# Altium PCB Tigershark 3D R2.4 - TR.PcbDoc (part 1 of 4) (continued)
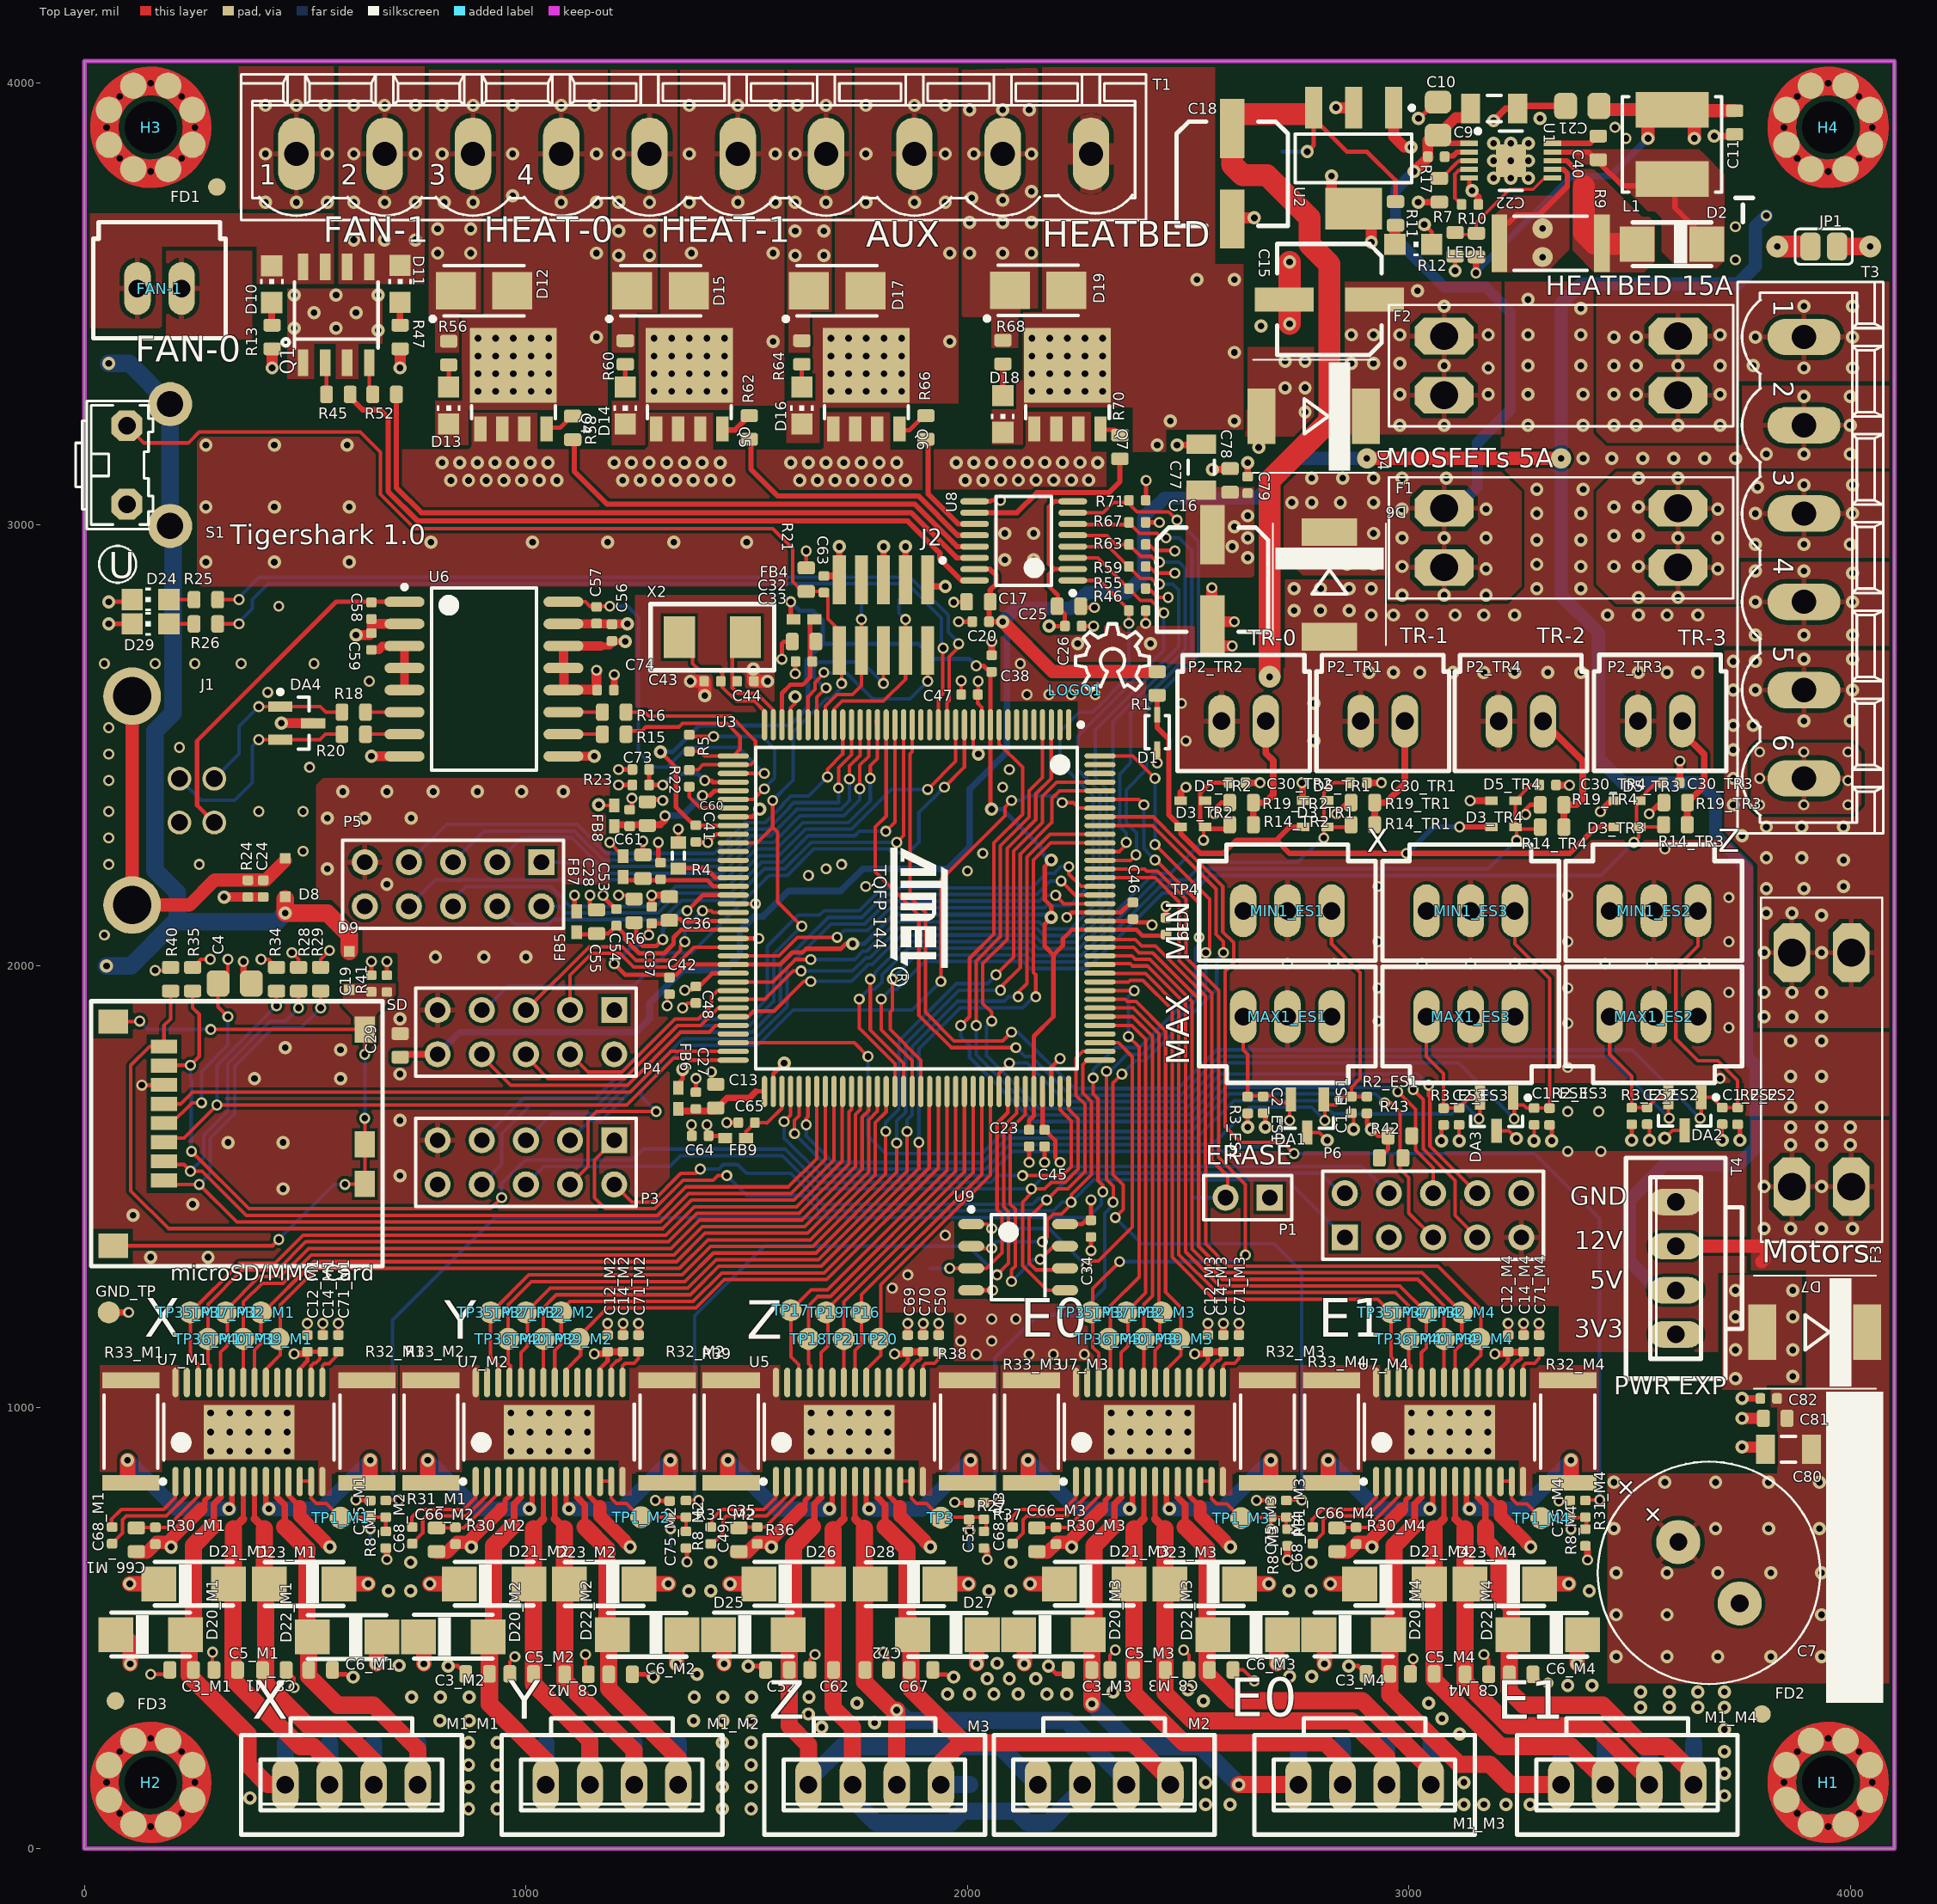
[diagram p0: Top Layer view]
## Components (designator, comment, footprint, x,y, rotation, side; value= is the part's Value field where it differs from the comment) (continued)
C37 "100nF" C0402 1285,2115 r90 top
C38 "100nF" C0402 2055,2685 r90 top
C39 "100nF" C0402 2450,2090 r90 top
C40 "100nF" C0603 3429.31,3853.43 r270 top
C41 "100nF" C0402 1385,2300 r270 top
C42 "100nF" C0402 1325,1955 r270 top
C43 "0402" C0402 1422.57,2645 r0 top
C44 "0402" C0402 1497.57,2645 r180 top
C45 "100nF" C0402 2175,1610 r270 top
C46 "100nF" C0402 2375,2125 r90 top
C47 "100nF" C0402 2005,2615 r180 top
C48 "100nF" C0402 1385,1935 r270 top
C49 "0402" C0402 1418.75,709.74 r270 top
C50 "0402" C0402 1935,1145 r270 top
C51 "0402" C0402 2003.75,764.74 r270 top
C52 "10nF" C0603 1570,405 r180 top
C53 "100nF" C0402 1305,2215 r90 top
C54 "100nF" C0402 1205,2110 r90 top
C55 "0603" C0603 1160,2100 r270 top
C56 "100nF" C0402 1195,2755 r90 top
C57 "100nF" C0402 1160,2795 r270 top
C58 "100nF" C0402 650,2805 r270 top
C59 "100nF" C0402 650,2735 r90 top
C60 "0603" C0603 1275,2345 r270 top
C61 "100nF" C0402 1235,2335 r90 top
C62 "10nF" C0603 1670,405 r180 top
C63 "0402" C0402 1675,2865 r270 top
C64 "100nF" C0402 1395,1615 r180 top
C65 "100nF" C0402 1500,1645 r180 top
C66_M1 "100nF" C0603 117.49,700 r270 top (schematic designator C66)
C66_M2 "100nF" C0603 797.49,700 r270 top (schematic designator C66)
C66_M3 "100nF" C0603 2157.49,700 r270 top (schematic designator C66)
C66_M4 "100nF" C0603 2837.49,700 r270 top (schematic designator C66)
C67 "10nF" C0603 1895,405 r0 top
C68_M1 "0402" C0402 62.49,710 r270 top (schematic designator C68)
C68_M2 "0402" C0402 742.49,710 r270 top (schematic designator C68)
C68_M3 "0402" C0402 2102.49,710 r270 top (schematic designator C68)
C68_M4 "0402" C0402 2782.49,710 r270 top (schematic designator C68)
C69 "0402" C0402 1865,1145 r270 top
C70 "0402" C0402 1900,1145 r270 top
C71_M1 "0402" C0402 575,1145 r270 top (schematic designator C71)
C71_M2 "0402" C0402 1255,1145 r270 top (schematic designator C71)
C71_M3 "0402" C0402 2615,1145 r270 top (schematic designator C71)
C71_M4 "0402" C0402 3295,1145 r270 top (schematic designator C71)
C72 "10nF" C0603 1795,405 r180 top
C73 "0402" C0402 1260,2445 r0 top
C74 "100nF" C0402 1180,2625 r0 top
C75_M1 "0402" C0402 647.49,770 r270 top (schematic designator C75)
C75_M2 "0402" C0402 1325.49,769 r270 top (schematic designator C75)
C75_M3 "0402" C0402 2687.49,770 r270 top (schematic designator C75)
C75_M4 "0402" C0402 3365,770 r270 top (schematic designator C75)
C77 "10uF 50V" C1206#2 2530,3130 r90 top
C78 "0.1uF 50V" C0603 2595,3100 r90 top
C79 "0402" C0402 2635,3090 r270 top
C80 "10uF 50V" C1206#2 3860,905 r180 top
C81 "0.1uF 50V" C0603 3830,975 r180 top
C82 "0402" C0402 3815,1020 r0 top
D1 "SZMM3Z4V7T1G" SZMM3Z4V7T1G 2430,2530 r90 top
D2 "SK310A-TP" SMA-SM 3596.31,3635.43 r180 top
D3_TR1 "1N4148WT" SOD523 2788.05,2315.05 r0 top (schematic designator D3)
D3_TR2 "1N4148WT" SOD523 2511,2315.05 r0 top (schematic designator D3)
D3_TR3 "1N4148WT" SOD523 3494.53,2315 r0 top (schematic designator D3)
D3_TR4 "1N4148WT" SOD523 3214.53,2315 r0 top (schematic designator D3)
D4 "S3A-13-F" DO-214AB 2785,3245.65 r180 top
D5_TR1 "1N4148WT" SOD523 2788.05,2375.05 r180 top (schematic designator D5)
D5_TR2 "1N4148WT" SOD523 2511,2374.57 r180 top (schematic designator D5)
D5_TR3 "1N4148WT" SOD523 3494.53,2374.53 r180 top (schematic designator D5)
D5_TR4 "1N4148WT" SOD523 3214.53,2374.53 r180 top (schematic designator D5)
D6 "S3A-13-F" DO-214AB 2820,2865 r270 top
D7 "S3A-13-F" DO-214AB 3920,1170 r180 top
D8 "RSB39VTE-17" SOD323-R 455,2200 r90 top
D9 "RSB39VTE-17" SOD323-R 600,1990 r270 top
D10 "5988140107F" LED2012120 424,3544.43 r90 top
D11 "5988140107F" LED2012120 715,3545 r90 top
D12 "B240A-13-F" SK310A-TP 905,3530 r180 top
D13 "5988140107F" LED2012120 825,3270 r270 top
D14 "5988140107F" LED2012120 1225,3270 r270 top
D15 "B240A-13-F" SK310A-TP 1305,3530 r180 top
D16 "5988140107F" LED2012120 1625,3270 r270 top
D17 "B240A-13-F" SK310A-TP 1705,3530 r180 top
D18 "5988140107F" LED2012120 2080.5,3250.81 r270 top
D19 "B240A-13-F" SK310A-TP 2160.5,3530.81 r180 top
D20_M1 "SMAJ30A" SMA-SM 150,485 r0 top (schematic designator D20)
D20_M2 "SMAJ30A" SMA-SM 835,480 r0 top (schematic designator D20)
D20_M3 "SMAJ30A" SMA-SM 2195,485 r0 top (schematic designator D20)
D20_M4 "SMAJ30A" SMA-SM 2875,485 r0 top (schematic designator D20)
D21_M1 "SMAJ30A" SMA-SM 247.49,600 r0 top (schematic designator D21)
D21_M2 "SMAJ30A" SMA-SM 927.49,600 r0 top (schematic designator D21)
D21_M3 "SMAJ30A" SMA-SM 2287.49,600 r0 top (schematic designator D21)
D21_M4 "SMAJ30A" SMA-SM 2967.49,600 r0 top (schematic designator D21)
D22_M1 "SMAJ30A" SMA-SM 595,480 r180 top (schematic designator D22)
D22_M2 "SMAJ30A" SMA-SM 1275,485 r180 top (schematic designator D22)
D22_M3 "SMAJ30A" SMA-SM 2635,485 r180 top (schematic designator D22)
D22_M4 "SMAJ30A" SMA-SM 3315,485 r180 top (schematic designator D22)
D23_M1 "SMAJ30A" SMA-SM 497.49,600 r180 top (schematic designator D23)
D23_M2 "SMAJ30A" SMA-SM 1177.49,600 r180 top (schematic designator D23)
D23_M3 "SMAJ30A" SMA-SM 2537.49,600 r180 top (schematic designator D23)
D23_M4 "SMAJ30A" SMA-SM 3217.49,600 r180 top (schematic designator D23)
D24 "5988140107F" LED2012120 150,2830 r180 top
D25 "SMAJ30A" SMA-SM 1515,485 r0 top
D26 "SMAJ30A" SMA-SM 1606.52,599.74 r0 top
D27 "SMAJ30A" SMA-SM 1955,485 r180 top
D28 "SMAJ30A" SMA-SM 1858.75,599.74 r180 top
D29 "5988140107F" LED2012120 150,2775 r180 top
DA1 "PESDxL2BT" SOT95P230X110-3N 2770,1660 r270 top
DA2 "PESDxL2BT" SOT95P230X110-3N 3625,1665 r270 top
DA3 "PESDxL2BT" SOT95P230X110-3N 3198.9,1663.9 r270 top
DA4 "PESDxL2BT" SOT95P230X110-3N 480.88,2550 r0 top
F1 "3557-2" 3557 3345,2970 r180 top
F2 "3557-2" 3557 3345,3360 r180 top
F3 "3557-2" 3557 3935,1765 r270 top
FAN-1 "Molex 70543-02" 70543-02 170,3535 r180 top
FB4 "BLM15HG601SN1D" BLM18PG121SN1D 1630,2785 r0 top
FB5 "BLM15HG601SN1D" BLM18PG121SN1D 1115,2100 r270 top
FB6 "BLM15HG601SN1D" BLM18PG121SN1D 1345,1700 r270 top
FB7 "BLM15HG601SN1D" BLM18PG121SN1D 1220,2225 r270 top
FB8 "BLM15HG601SN1D" BLM18PG121SN1D 1200,2340 r270 top
FB9 "BLM15HG601SN1D" BLM18PG121SN1D 1475,1610 r0 top
FD1 "FIDUCIAL" FIDUCIAL-1X2 300,3765 r90 top
FD2 "FIDUCIAL" FIDUCIAL-1X2 3800,305 r0 top
FD3 "FIDUCIAL" FIDUCIAL-1X2 70,335 r270 top
GND_TP "TP4" TP-2#1 55,1215 r90 top
H1 "Hole" Wave_hole_3x7-singleSided#1 3950,150 r0 top locked
H2 "Hole" Wave_hole_3x7-singleSided#2 150,150 r0 top locked
H3 "Hole" Wave_hole_3x7-singleSided#2 150,3900 r0 top locked
H4 "Hole" Wave_hole_3x7-singleSided#2 3950,3900 r0 top locked
J1 "USB-B" PN61729 108,2374.94 r270 top
J2 "FTSH-105-XX-X-DV" FTSH-105-XX-X-DV 1810,2795 r0 top
JP1 "SJ" SJ 3940,3630 r180 top
L1 "XAL5050-153MEB" XAL50xx-153 3596.31,3861.43 r90 top
LED1 "5988170107F" LED2012120 3010,3635 r0 top
LOGO1 "OSHW_LOGO_8MILX0150-NT" OSHW_8X150_NOTEXT 2245,2625 r0 top
M1_M1 "Molex 0705430003" 4POL254 605,145 r180 top (schematic designator M1)
M1_M2 "Molex 0705430003" 4POL254 1195,145 r180 top (schematic designator M1)
M1_M3 "Molex 0705430003" 4POL254 2900,145 r180 top (schematic designator M1)
M1_M4 "Molex 0705430003" 4POL254 3495,145 r180 top (schematic designator M1)
M2 "Molex 0705430003" 4POL254 2310,145 r180 top
M3 "Molex 0705430003" 4POL254 1790,145 r180 top
MAX1_ES1 "Molex 70543-03" 70543-03 2725,1885 r0 top (schematic designator MAX1)
MAX1_ES2 "Molex 70543-03" 70543-03 3555,1885 r0 top (schematic designator MAX1)
MAX1_ES3 "Molex 70543-03" 70543-03 3140,1885 r0 top (schematic designator MAX1)
MIN1_ES1 "Molex 70543-03" 70543-03 2725,2125 r180 top (schematic designator MIN1)
MIN1_ES2 "Molex 70543-03" 70543-03 3555,2125 r180 top (schematic designator MIN1)
MIN1_ES3 "Molex 70543-03" 70543-03 3140,2125 r180 top (schematic designator MIN1)
P1 "ERASE" HDR1X2 2685,1475 r180 top
P2_TR1 "Molex 70543-02" 70543-02 2941,2554.57 r180 top (schematic designator P2)
P2_TR2 "Molex 70543-02" 70543-02 2626,2554.57 r180 top (schematic designator P2)
P2_TR3 "Molex 70543-02" 70543-02 3569.53,2555 r180 top (schematic designator P2)
P2_TR4 "Molex 70543-02" 70543-02 3254.06,2554.53 r180 top (schematic designator P2)
P3 "Header 5X2" HDR2X5 1200,1605 r180 top
P4 "Header 5X2" HDR2X5 1200,1900 r180 top
P5 "Header 5X2" HDR2X5 1035,2235 r180 top
P6 "Header 5X2" HDR2X5 2855,1385 r0 top
Q1 "NCV8402AD" NCV8402AD-SOIC8 570,3475 r0 top
Q4 "PSMN7R0-60YS,115" SOT669 971.5,3317.03 r0 top
Q5 "PSMN7R0-60YS,115" SOT669 1370,3317.03 r0 top
Q6 "PSMN7R0-60YS,115" SOT669 1771,3317.03 r0 top
Q7 "PSMN7R0-60YS,115" SOT669 2226.5,3317.03 r0 top
R1 "10K" R0603 2430,2640 r90 top
R2_ES1 "2.7K" R0402 2905,1685 r270 top (schematic designator R2)
R2_ES2 "2.7K" R0402 3745,1660 r270 top (schematic designator R2)
R2_ES3 "2.7K" R0402 3318.9,1658.9 r270 top (schematic designator R2)
R3_ES1 "2.7K" R0402 2635,1685 r270 top (schematic designator R3)
R3_ES2 "2.7K" R0402 3505,1660 r270 top (schematic designator R3)
R3_ES3 "2.7K" R0402 3078.9,1658.9 r270 top (schematic designator R3)
R4 "0603" J1-0603 1345,2250 r90 top
R5 "39r" R0402 1370,2505 r270 top
R6 "100K" R0603 1245,2125 r90 top
R7 "10K" R0603 3069.31,3757.43 r270 top
R8_M1 "2.7K" R0402 682.49,700 r270 top (schematic designator R8)
R8_M2 "2.7K" R0402 1362.49,700 r270 top (schematic designator R8)
R8_M3 "2.7K" R0402 2725,705 r270 top (schematic designator R8)
R8_M4 "2.7K" R0402 3400,705 r270 top (schematic designator R8)
R9 "0.6r" 2512R-0.55 3321.31,3637.43 r0 top
R10 "10K" R0603 3153.31,3633.43 r90 top
R11 "1K" R0603 2970,3705 r90 top
R12 "10K" R0603 3105,3635 r270 top
R13 "1.8K" R0603 425,3425 r270 top
R14_TR1 "4.7K" R0603 2896,2320.05 r180 top (schematic designator R14)
R14_TR2 "4.7K" R0603 2621,2320.05 r180 top (schematic designator R14)
R14_TR3 "4.7K" R0603 3604.06,2320 r180 top (schematic designator R14)
R14_TR4 "4.7K" R0603 3324.53,2314.53 r180 top (schematic designator R14)
R15 "24r" R0603 1200,2525 r180 top
R16 "24r" R0603 1200,2575 r180 top
R17 "200K" R0402 3062.31,3833.43 r180 top
R18 "24r" R0603 610,2575 r180 top
R19_TR1 "4.7K" R0603 2896,2370.05 r180 top (schematic designator R19)
R19_TR2 "4.7K" R0603 2621,2370.05 r180 top (schematic designator R19)
R19_TR3 "4.7K" R0603 3604.53,2370 r180 top (schematic designator R19)
R19_TR4 "4.7K" R0603 3324.53,2365 r180 top (schematic designator R19)
R20 "24r" R0603 610,2525 r180 top
R21 "10K" R0603 1635,2875 r90 top
R22 "39r" R0402 1370,2425 r90 top
R23 "6.8K" R0402 1260,2410 r0 top
R24 "1M" R0402 370,2175 r90 top
R25 "1K" R0603 275,2830 r180 top
R26 "1K" R0603 275,2775 r180 top
R27 "2.7K" R0402 2037.49,700 r270 top
R28 "10K" R0603 485,1970 r90 top
R29 "10K" R0603 535,1970 r90 top
R30_M1 "1M" R0402 160.49,709 r270 top (schematic designator R30)
R30_M2 "1M" R0402 840.49,709 r270 top (schematic designator R30)
R30_M3 "1M" R0402 2200.49,709 r270 top (schematic designator R30)
R30_M4 "1M" R0402 2880.49,709 r270 top (schematic designator R30)
R31_M1 "2.7K" R0402 682.49,770 r270 top (schematic designator R31)
R31_M2 "2.7K" R0402 1362.49,770 r270 top (schematic designator R31)
R31_M3 "2.7K" R0402 2722.49,770 r270 top (schematic designator R31)
R31_M4 "2.7K" R0402 3400,770 r270 top (schematic designator R31)
R32_M1 "2512" 2512R-0.55 640,945 r270 top (schematic designator R32)
R32_M2 "2512" 2512R-0.55 1320,945 r270 top (schematic designator R32)
R32_M3 "2512" 2512R-0.55 2680,945 r270 top (schematic designator R32)
R32_M4 "2512" 2512R-0.55 3360,945 r270 top (schematic designator R32)
R33_M1 "2512" 2512R-0.55 105,945 r270 top (schematic designator R33)
R33_M2 "2512" 2512R-0.55 785,945 r270 top (schematic designator R33)
R33_M3 "2512" 2512R-0.55 2145,945 r270 top (schematic designator R33)
R33_M4 "2512" 2512R-0.55 2825,945 r270 top (schematic designator R33)
R34 "10K" R0603 435,1970 r270 top
R35 "10K" R0603 245,1970 r270 top
R36 "1M" R0402 1523.75,709.74 r270 top
R37 "2.7K" R0402 2037.49,765 r270 top
R38 "2512" 2512R-0.55 2000,945 r270 top
R39 "2512" 2512R-0.55 1465,945 r270 top
R40 "10K" R0603 195,1970 r270 top
R41 "1M" R0402 685,1960 r270 top
R42 "4.7K" R0603 2960,1565 r0 top
R43 "4.7K" R0603 2980,1615 r0 top
R45 "10r" R0603 575,3295 r180 top
R46 "100K" R0402 2385,2805 r180 top
R47 "1.8K" R0603 715,3425 r270 top
R52 "10r" R0603 680,3295 r180 top
R55 "100K" R0402 2385,2855 r180 top
R56 "1.8K" R0603 825,3388.64 r90 top
R58 "10r" R0603 1106,3219 r90 top
R59 "100K" R0402 2385,2905 r180 top
R60 "1.8K" R0603 1225,3390 r90 top
R62 "10r" R0603 1506,3220 r90 top
R63 "100K" R0402 2385,2955 r180 top
R64 "1.8K" R0603 1625,3390 r90 top
R66 "10r" R0603 1906,3220 r90 top
R67 "100K" R0402 2385,3005 r180 top
R68 "1.8K" R0603 2080.5,3390.81 r90 top
R70 "10r" R0603 2345.5,3175.81 r90 top
R71 "100K" R0402 2385,3055 r180 top
S1 "1571610-2" B3F-31XX 145,3135 r270 top locked
SD "502570-0893" "502570-0893 - Molex SD" 345,1620 r90 top
T1 "Molex 0395311010" MSTBV10 1380,3840 r0 top
T3 "MSTBV6" MSTBV6 3895,3425 r0 top locked
T4 "Molex 0705430003" 4POL254 3605,1315 r90 top
TP1_M1 "TP4" TP-2#1 580,750 r90 top (schematic designator TP1)
TP1_M2 "TP4" TP-2#1 1261,751 r90 top (schematic designator TP1)
TP1_M3 "TP4" TP-2#1 2620,749 r90 top (schematic designator TP1)
TP1_M4 "TP4" TP-2#1 3300,749 r90 top (schematic designator TP1)
TP2 "TP4" TP-2#2 3052.22,2310.52 r180 top
TP3 "TP4" TP-2#1 1940.03,749.97 r90 top
TP4 "TP4" TP-2#1 2080,85 r90 bottom
TP5 "TP4" TP-2#1 2085,220 r90 bottom
TP6 "TP4" TP-2#2 1515,1530 r180 top
TP7 "TP4" TP-2#2 1285,1545 r180 top
TP8 "TP4" TP-2#2 1575,1480 r180 top
TP9_ES1 "TP4" TP-2#1 2580,1620 r270 bottom (schematic designator TP9)
TP9_ES2 "TP4" TP-2#1 3610,1705 r270 bottom (schematic designator TP9)
TP9_ES3 "TP4" TP-2#1 3188.9,1703.9 r270 bottom (schematic designator TP9)
TP10_ES1 "TP4" TP-2#1 2655,1590 r270 bottom (schematic designator TP10)
TP10_ES2 "TP4" TP-2#1 3505,1740 r270 bottom (schematic designator TP10)
TP10_ES3 "TP4" TP-2#1 3122.8,1690 r270 bottom (schematic designator TP10)
TP11 "TP4" TP-2#1 1030,3670 r270 bottom
TP12 "TP4" TP-2#1 1431,3671 r90 bottom
TP13 "TP4" TP-2#1 1831,3671 r270 bottom
TP14 "TP4" TP-2#1 2360,3530 r270 bottom
TP15 "TP4" TP-2#2 2005,680 r180 top
TP16 "TP4" TP-2#1 1760,1215 r180 top
TP17 "TP4" TP-2#1 1600,1220 r90 top
TP18 "TP4" TP-2#1 1640,1155 r90 top
TP19 "TP4" TP-2#1 1680,1215 r90 top
TP20 "TP4" TP-2#1 1800,1155 r90 top
TP21 "TP4" TP-2#1 1720,1155 r90 top
TP22 "TP4" TP-2#1 2005,145 r90 bottom
TP23 "TP4" TP-2#1 2100,290 r90 bottom
TP24_M1 "TP4" TP-2#1 455,250 r90 bottom (schematic designator TP24)
TP24_M2 "TP4" TP-2#1 1045,250 r270 bottom (schematic designator TP24)
TP24_M3 "TP4" TP-2#1 2750,250 r270 bottom (schematic designator TP24)
TP24_M4 "TP4" TP-2#1 3345,250 r270 bottom (schematic designator TP24)
TP25_M1 "TP4" TP-2#1 555,250 r90 bottom (schematic designator TP25)
TP25_M2 "TP4" TP-2#1 1145,250 r270 bottom (schematic designator TP25)
TP25_M3 "TP4" TP-2#1 2850,250 r270 bottom (schematic designator TP25)
TP25_M4 "TP4" TP-2#1 3445,250 r270 bottom (schematic designator TP25)
TP26_M1 "TP4" TP-2#1 755,250 r90 bottom (schematic designator TP26)
TP26_M2 "TP4" TP-2#1 1345,250 r270 bottom (schematic designator TP26)
TP26_M3 "TP4" TP-2#1 3050,250 r270 bottom (schematic designator TP26)
TP26_M4 "TP4" TP-2#1 3645,250 r90 bottom (schematic designator TP26)
TP27_M1 "TP4" TP-2#1 655,250 r90 bottom (schematic designator TP27)
TP27_M2 "TP4" TP-2#1 1245,250 r270 bottom (schematic designator TP27)
TP27_M3 "TP4" TP-2#1 2950,250 r270 bottom (schematic designator TP27)
TP27_M4 "TP4" TP-2#1 3545,250 r90 bottom (schematic designator TP27)
TP28 "TP4" TP-2#1 2220,1370 r90 bottom
TP29 "TP4" TP-2#1 1915,1315 r90 bottom
TP30 "TP4" TP-2#1 2125,1315 r90 bottom
TP31 "TP4" TP-2#1 3785,3660 r90 bottom
TP32_M1 "TP4" TP-2#1 399.69,1215 r180 top (schematic designator TP32)
TP32_M2 "TP4" TP-2#1 1080,1215 r180 top (schematic designator TP32)
TP32_M3 "TP4" TP-2#1 2440,1215 r180 top (schematic designator TP32)
TP32_M4 "TP4" TP-2#1 3119.69,1215 r180 top (schematic designator TP32)
TP33_M1 "TP4" TP-2#2 647.49,685 r180 top (schematic designator TP33)
TP33_M2 "TP4" TP-2#2 1325.49,685 r180 top (schematic designator TP33)
TP33_M3 "TP4" TP-2#2 2685,685 r180 top (schematic designator TP33)
TP33_M4 "TP4" TP-2#2 3370,685 r180 top (schematic designator TP33)
TP34 "TP4" TP-2#1 2715,3845 r90 bottom
TP35_M1 "TP4" TP-2#1 239.69,1215 r180 top (schematic designator TP35)
TP35_M2 "TP4" TP-2#1 920,1215 r180 top (schematic designator TP35)
TP35_M3 "TP4" TP-2#1 2280,1215 r180 top (schematic designator TP35)
TP35_M4 "TP4" TP-2#1 2959.69,1215 r180 top (schematic designator TP35)
TP36_M1 "TP4" TP-2#1 279.69,1155 r180 top (schematic designator TP36)
TP36_M2 "TP4" TP-2#1 960,1155 r180 top (schematic designator TP36)
TP36_M3 "TP4" TP-2#1 2320,1155 r180 top (schematic designator TP36)
TP36_M4 "TP4" TP-2#1 2999.69,1155 r180 top (schematic designator TP36)
TP37_M1 "TP4" TP-2#1 319.69,1215 r180 top (schematic designator TP37)
TP37_M2 "TP4" TP-2#1 1000,1215 r180 top (schematic designator TP37)
TP37_M3 "TP4" TP-2#1 2360,1215 r180 top (schematic designator TP37)
TP37_M4 "TP4" TP-2#1 3039.69,1215 r180 top (schematic designator TP37)
TP38 "TP4" TP-2#1 2410,2520 r90 bottom
TP39_M1 "TP4" TP-2#1 439.69,1155 r180 top (schematic designator TP39)
TP39_M2 "TP4" TP-2#1 1120,1155 r180 top (schematic designator TP39)
TP39_M3 "TP4" TP-2#1 2480,1155 r180 top (schematic designator TP39)
TP39_M4 "TP4" TP-2#1 3159.69,1155 r180 top (schematic designator TP39)
TP40_M1 "TP4" TP-2#1 359.69,1155 r180 top (schematic designator TP40)
TP40_M2 "TP4" TP-2#1 1040,1155 r180 top (schematic designator TP40)
TP40_M3 "TP4" TP-2#1 2400,1155 r180 top (schematic designator TP40)
TP40_M4 "TP4" TP-2#1 3079.69,1155 r180 top (schematic designator TP40)
TP41 "TP4" TP-2#1 110,3660 r90 bottom
TP42 "TP4" TP-2#1 645,3985 r90 bottom
TP43 "TP4" TP-2#1 2210,2460 r90 bottom
TP44 "TP4" TP-2#1 2250,2520 r90 bottom
TP45 "TP4" TP-2#1 2290,2460 r90 bottom
TP46 "TP4" TP-2#1 2330,2520 r270 bottom
TP47 "TP4" TP-2#1 2370,2460 r90 bottom
TP48 "TP4" TP-2#1 4055,3495 r90 bottom
TP49 "TP4" TP-2#1 2965,3530 r90 bottom
TP50 "TP4" TP-2#1 4055,2980 r90 bottom
TP51 "TP4" TP-2#1 2860,2995 r90 bottom
TP52_TR1 "TP4" TP-2#2 2773.79,2260 r180 top (schematic designator TP52)
TP52_TR2 "TP4" TP-2#2 2485,2240 r180 top (schematic designator TP52)
TP52_TR3 "TP4" TP-2#1 3375,2205 r270 bottom (schematic designator TP52)
TP52_TR4 "TP4" TP-2#1 3209.53,2250 r0 bottom (schematic designator TP52)
TP53 "TP4" TP-2#1 4050,2645 r90 bottom
TP54 "TP4" TP-2#1 4055,1610 r90 bottom
TP55 "TP4" TP-2#1 2515,1475 r90 bottom
TP56 "TP4" TP-2#1 340,2470 r90 bottom
TP57 "TP4" TP-2#1 340,2375 r90 bottom
TP58 "TP4" TP-2#1 1605,2460 r90 bottom
TP59 "TP4" TP-2#1 1870,2605 r90 bottom
TP60 "TP4" TP-2#1 1845,2830 r90 bottom
TP61 "TP4" TP-2#1 1761.5,2688.5 r90 bottom
TP62 "TP4" TP-2#1 1760,2830 r90 bottom
U1 "LM25011MY/NOPB" VSSOP10 3231.31,3824.43 r0 top
U2 "MIC5209-3.3YS" SOT230P700X190-4N 2875,3830 r270 top
U3 "ATML-ATSAM3X-LQFP-144" LQFP144_N 1885,2131.1 r270 top locked
U5 "DRV8825" DRV8825PWPR 1732.75,944 r90 top
U6 "ADuM4160" ADuM4160 905,2650 r0 top
U7_M1 "DRV8825" DRV8825PWPR 372.49,944 r90 top (schematic designator U7)
U7_M2 "DRV8825" DRV8825PWPR 1052.49,944 r90 top (schematic designator U7)
U7_M3 "DRV8825" DRV8825PWPR 2412.49,944 r90 top (schematic designator U7)
U7_M4 "DRV8825" DRV8825PWPR 3092.49,944 r90 top (schematic designator U7)
U8 "TXB0106 Level Shifter" TSOP65P640X120-16N 2127.56,2963 r180 top
U9 "S25FL216K0PMFI041" S25FL216K0PMFI041 2115,1340 r0 top
X2 "445C35A12M00000" 445C35A12M00000 1347.57,2745 r0 top

## Footprints (in the part's own frame and the unit in brackets; to place one, negate y for a bottom-side part, rotate by r counter-clockwise, add the part's x,y. Pads: shape width x height; smd on the part's side, far side on the other; paste and mask are expansions set on the pad)
4POL254 [mil]
  oval 60x120 hole 40: 1(-150,0) 2(-50,0) 3(50,0) 4(150,0)
  silkscreen extent -250,-150 250,113, body extent -250,-150 250,113, height 454
445C35A12M00000 [mm] "Crystal Oscillator"
  rect 1.8x2.4 smd: 1(0,0) 2(3.8,0)
  silkscreen extent -1.65,-1.91 5.46,1.91, body extent -1.27,-1.52 5.08,1.52, height 1
2512R-0.55 [mm] "2512 Resistor 6.35mm x 3.2mm x 0.55mm"
  rect 0.9x3.3 smd: 1(-2.95,0) 2(2.95,0)
  silkscreen extent -2.1,-1.55 2.1,1.55, body extent -3.22,-1.68 3.22,1.68, height 0.65
3557 [mil] "3557"
  oct 133x83 hole 63: 1(-265,-67) 1(-265,67) 2(265,-67) 2(265,67)
  silkscreen extent -390,-138 390,138, body extent -354,-75 353,74, height 709
70543-02 [mil]
  oval 60x120 hole 40: 1(-50,0) 2(50,0)
  silkscreen extent -150,-150 150,113, body extent -150,-150 150,113, height 450
70543-03 [mil]
  oval 60x120 hole 40: 1(-100,0) 2(0,0) 3(100,0)
  silkscreen extent -200,-150 200,113, body extent -200,-150 200,113, height 450
"502570-0893 - Molex SD" [mm] "Molex SD Card Footprint 502570-0893"
  rect 0.8x1.5 smd: 1(-2.692,4.191) 2(-1.592,4.191) 3(-0.492,4.191) 4(0.608,4.191) 5(1.708,4.191) 6(2.808,4.191) 7(3.908,4.191) 8(5.008,4.191)
  rect 1.4x1.7 smd: 9(-6.452,7.112) 10(6.452,7.112)
  rect 1.5x1.15 smd: 11(-2.896,-7.366) 12(-0.61,-7.366) 13(5.994,-7.366)
  silkscreen extent -7.62,-8.38 7.62,8.38, body extent -6.86,-7.75 6.94,7.75, height 1.85
ADuM4160 [mm] "SOIC, 16-Leads, Body 10.30x7.50mm, Pitch 1.27mm, IPC Medium Density"
  oval 2.3x0.6 smd: 1(-4.575,4.445) 2(-4.575,3.175) 3(-4.575,1.905) 4(-4.575,0.635) 5(-4.575,-0.635) 6(-4.575,-1.905) 7(-4.575,-3.175) 8(-4.575,-4.445) 9(4.575,-4.445) 10(4.575,-3.175) 11(4.575,-1.905) 12(4.575,-0.635) 13(4.575,0.635) 14(4.575,1.905) 15(4.575,3.175) 16(4.575,4.445)
  silkscreen extent -4.7,-5.25 3.03,5.42, body extent -3.8,-5.25 3.8,5.25, height 2.65
B3F-31XX [mil]
  oct 70x70 hole 40: 1(-89,-49) 2(89,-49)
  round 100 hole 59: 3(-138,49) 4(138,49)
  silkscreen extent -145,-165 145,10, body extent -165,-200 165,109, height 303
BLM18PG121SN1D [mm] "Chip Inductor, 2-Leads, Body 1.0x0.5mm, IPC Medium Density"
  rect 0.8x0.6 smd: 1(-0.6,0) 2(0.6,0)
  body extent -0.52,-0.28 0.53,0.27, height 0.6
C12,5-5 [mil]
  round 100 hole 40: 1(-98.43,0) 2(98.43,0)
  silkscreen extent -252,-252 252,252, body extent -252,-252 252,252, height 787
C0402 [mil]
  rrect40% 22x24 smd: 1(-18.7,0) 2(19,0)
  body extent -20,-10 20,10, height 20
C0603 [mm]
  rrect40% 0.74x1 smd: 1(-0.68,0) 2(0.68,0)
  body extent -0.8,-0.4 0.8,0.4, height 0.8
C0805 [mil]
  rrect50% 52x60 smd: 1(-37.4,0) 2(38,0)
  body extent -40,-30 40,30, height 35
C1206#1 [mm] "Chip Capacitor, Body 3.2x1.6mm, IPC High Density"
  rect 1.1x1.7 smd: 1(-1.35,0) 2(1.35,0)
  silkscreen extent -0.4,-0.75 0.4,0.75, body extent -1.7,-0.9 1.7,0.9, height 1.3
C1206#2 [mm]
  rect 1.1x1.7 smd: 1(-1.325,0) 2(1.325,0)
  silkscreen extent -0.4,-0.75 0.4,0.75, body extent -1.68,-0.87 1.67,0.88, height 1.6
DO-214AB [mil]
  rect 63x126 smd: A(119,0) C(-118.11,0)
  silkscreen extent -138,-128 138,128, body extent -140,-130 140,130, height 98
DRV8825PWPR [mm] "PowerPAD (HTSSOP) - PWP"
  oval 1.7x0.35 smd: 1(-2.85,4.225) 2(-2.85,3.575) 3(-2.85,2.925) 4(-2.85,2.275) 5(-2.85,1.625) 6(-2.85,0.975) 7(-2.85,0.325) 8(-2.85,-0.325) 9(-2.85,-0.975) 10(-2.85,-1.625) 11(-2.85,-2.275) 12(-2.85,-2.925) 13(-2.85,-3.575) 14(-2.85,-4.225) 15(2.85,-4.225) 16(2.85,-3.575) 17(2.85,-2.925) 18(2.85,-2.275) 19(2.85,-1.625) 20(2.85,-0.975) 21(2.85,-0.325) 22(2.85,0.325) 23(2.85,0.975) 24(2.85,1.625) 25(2.85,2.275) 26(2.85,2.925) 27(2.85,3.575) 28(2.85,4.225)
  rect 3.1x5.22 smd: 29(0,0)
  silkscreen extent -2.97,-4.9 1.6,5.07, body extent -2.25,-4.9 2.25,4.9, height 1.2
EEE-1VA101XP [mm] "Panasonic VS D EEE-1VA101XP"
  rect 3.4x1.4 smd: 1(2.6,0) 2(-2.6,0)
  silkscreen extent -3,-3.2 3,3.2, body extent -3.5,-3.3 3.5,3.3, height 5.4
FIDUCIAL-1X2 [mil]
  rrect100% 40x40 smd paste-3897.64 mask+20: 1(0,0)
  body extent -40,-40 40,40, height 1
FTSH-105-XX-X-DV [mm] "1.27mm pitch, 10 pin, terminal strip; vertical, SMT"
  rect 0.75x2.8 smd mask+0: 1(2.54,2.03) 2(2.54,-2.03) 3(1.27,2.03) 4(1.27,-2.03) 5(0,2.03) 6(0,-2.03) 7(-1.27,2.03) 8(-1.27,-2.03) 9(-2.54,2.03) 10(-2.54,-2.03)
  silkscreen extent 3.28,3.03 3.52,3.27
HDR1X2 [mm] "Connector; Header; 2 Position"
  rect 1.5x1.5 hole 0.9: 1(0,0)
  round 1.5 hole 0.9: 2(2.54,0)
  silkscreen extent -1.27,-1.27 3.81,1.27
HDR2X5 [mm] "Connector; Header; 5x2 Position"
  rect 1.5x1.5 hole 0.9: 1(0,0)
  round 1.5 hole 0.9: 2(0,2.54) 3(2.54,0) 4(2.54,2.54) 5(5.08,0) 6(5.08,2.54) 7(7.62,0) 8(7.62,2.54) 9(10.16,0) 10(10.16,2.54)
  silkscreen extent -1.27,-1.27 11.43,3.81
J1-0603 [mm] "Chip Resistor, Body 1.6x0.8mm, IPC High Density"
  rect 0.7x0.9 smd: 1(-0.75,0) 2(0.75,0)
  silkscreen extent -0.2,-0.35 0.2,0.35, body extent -0.85,-0.48 0.85,0.48, height 0.9
LED2012120 [mil]
  rect 48x48 smd: A(-41.34,0) C(42,0)
  silkscreen extent 0,-27 12,27, body extent -50,-25 50,25, height 28
LQFP144_N [mm] "Thin QFP, 144-Leads, Body 20x20mm, Pitch 0.5mm, IPC Medium Density"
  oval 1.8x0.3 smd: 1(-10.55,8.75) 2(-10.55,8.25) 3(-10.55,7.75) 4(-10.55,7.25) 5(-10.55,6.75) 6(-10.55,6.25) 7(-10.55,5.75) 8(-10.55,5.25) 9(-10.55,4.75) 10(-10.55,4.25) 11(-10.55,3.75) 12(-10.55,3.25) 13(-10.55,2.75) 14(-10.55,2.25) 15(-10.55,1.75) 16(-10.55,1.25) 17(-10.55,0.75) 18(-10.55,0.25) 19(-10.55,-0.25) 20(-10.55,-0.75) 21(-10.55,-1.25) 22(-10.55,-1.75) 23(-10.55,-2.25) 24(-10.55,-2.75) 25(-10.55,-3.25) 26(-10.55,-3.75) 27(-10.55,-4.25) 28(-10.55,-4.75) 29(-10.55,-5.25) 30(-10.55,-5.75) 31(-10.55,-6.25) 32(-10.55,-6.75) 33(-10.55,-7.25) 34(-10.55,-7.75) 35(-10.55,-8.25) 36(-10.55,-8.75) 73(10.55,-8.75) 74(10.55,-8.25) 75(10.55,-7.75) 76(10.55,-7.25) 77(10.55,-6.75) 78(10.55,-6.25) 79(10.55,-5.75) 80(10.55,-5.25) 81(10.55,-4.75) 82(10.55,-4.25) 83(10.55,-3.75) 84(10.55,-3.25) 85(10.55,-2.75) 86(10.55,-2.25) 87(10.55,-1.75) 88(10.55,-1.25) 89(10.55,-0.75) 90(10.55,-0.25) 91(10.55,0.25) 92(10.55,0.75) 93(10.55,1.25) 94(10.55,1.75) 95(10.55,2.25) 96(10.55,2.75) 97(10.55,3.25) 98(10.55,3.75) 99(10.55,4.25) 100(10.55,4.75) 101(10.55,5.25) 102(10.55,5.75) 103(10.55,6.25) 104(10.55,6.75) 105(10.55,7.25) 106(10.55,7.75) 107(10.55,8.25) 108(10.55,8.75)
  oval 0.3x1.8 smd: 37(-8.75,-10.55) 38(-8.25,-10.55) 39(-7.75,-10.55) 40(-7.25,-10.55) 41(-6.75,-10.55) 42(-6.25,-10.55) 43(-5.75,-10.55) 44(-5.25,-10.55) 45(-4.75,-10.55) 46(-4.25,-10.55) 47(-3.75,-10.55) 48(-3.25,-10.55) 49(-2.75,-10.55) 50(-2.25,-10.55) 51(-1.75,-10.55) 52(-1.25,-10.55) 53(-0.75,-10.55) 54(-0.25,-10.55) 55(0.25,-10.55) 56(0.75,-10.55) 57(1.25,-10.55) 58(1.75,-10.55) 59(2.25,-10.55) 60(2.75,-10.55) 61(3.25,-10.55) 62(3.75,-10.55) 63(4.25,-10.55) 64(4.75,-10.55) 65(5.25,-10.55) 66(5.75,-10.55) 67(6.25,-10.55) 68(6.75,-10.55) 69(7.25,-10.55) 70(7.75,-10.55) 71(8.25,-10.55) 72(8.75,-10.55) 109(8.75,10.55) 110(8.25,10.55) 111(7.75,10.55) 112(7.25,10.55) 113(6.75,10.55) 114(6.25,10.55) 115(5.75,10.55) 116(5.25,10.55) 117(4.75,10.55) 118(4.25,10.55) 119(3.75,10.55) 120(3.25,10.55) 121(2.75,10.55) 122(2.25,10.55) 123(1.75,10.55) 124(1.25,10.55) 125(0.75,10.55) 126(0.25,10.55) 127(-0.25,10.55) 128(-0.75,10.55) 129(-1.25,10.55) 130(-1.75,10.55) 131(-2.25,10.55) 132(-2.75,10.55) 133(-3.25,10.55) 134(-3.75,10.55) 135(-4.25,10.55) 136(-4.75,10.55) 137(-5.25,10.55) 138(-5.75,10.55) 139(-6.25,10.55) 140(-6.75,10.55) 141(-7.25,10.55) 142(-7.75,10.55) 143(-8.25,10.55) 144(-8.75,10.55)
  silkscreen extent -10.67,-9.25 9.25,9.58, body extent -10,-10 10,10, height 1.6
MSTBV6 [mil]
  oval 165x82.5 hole 55: 1(0,0) 2(0,-200) 3(0,-400) 4(0,-600) 5(0,-800) 6(0,-1000)
  silkscreen extent -150,-1125 180,125, body extent -150,-1125 180,125, height 472
MSTBV10 [mil]
  oval 82.5x165 hole 55: 1(-900,0) 2(-700,0) 3(-500,0) 4(-300,0) 5(-100,0) 6(100,0) 7(300,0) 8(500,0) 9(700,0) 10(900,0)
  silkscreen extent -1025,-150 1025,180, body extent -1028,-153 1025,183, height 472
NCV8402AD-SOIC8 [mil]
  rect 24x60 smd: 1(-75,-108.27) 2(-25,-108.27) 3(25,-108.27) 4(75,-108.27) 5(25,109) 5(75,109) 7(-75,109) 7(-25,109)
  silkscreen extent -122,-75 95,75, body extent -98,-130 99,130, height 58
OSHW_8X150_NOTEXT [mil]
  silkscreen extent 0,0 167,150, body extent 0,2 168,148
PN61729 [mil]
  round 54 hole 38: 1(50,186) 2(-49.21,186) 3(-49.21,107) 4(50,107)
  round 130.5 hole 87: 5(-236.22,0) 6(237,0)
  body extent -237,-405 238,226, height 406
R0402 [mil]
  rrect40% 22x24 smd: 1(-18.9,0) 2(19,0)
  body extent -20,-10 20,10, height 14
R0603 [mm]
  rrect40% 0.74x1 smd: 1(-0.68,0) 2(0.68,0)
  body extent -0.8,-0.4 0.8,0.4, height 0.8